# KiCad board B1_panel.kicad_pcb (continued)
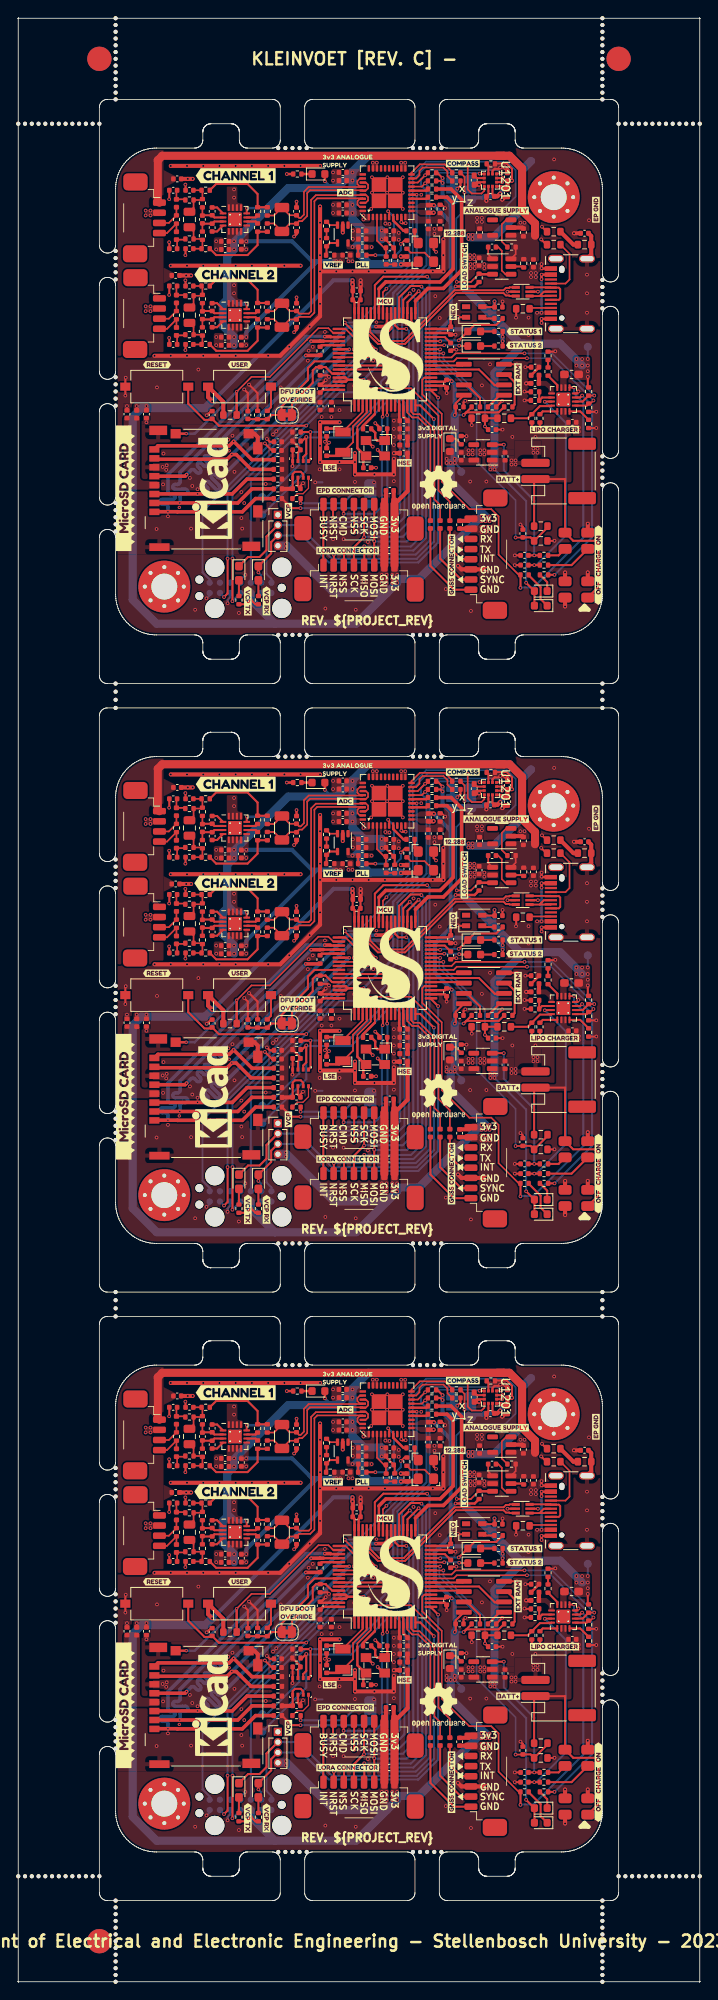
[diagram p0: board, top side]
## Routing (per net, layer and track width the routed paths; a pad name or vN(x,y) marks a point on that pad's centre or on a via; arc(x,y) is an arc through that point) (continued)
Board1_2-Net-(D902-K): length 4.7
  Top w0.25: R908#2.2 62.92,23.35 64.38,21.88 64.38,20.41 D902.1
Board1_2-Net-(D903-K): length 1.3
  Top w0.3: D903#3.1 R918.2
Board1_2-Net-(D904-K): length 1.7
  Top w0.25: D904#2.1 53.9,40.19 R919.2
Board1_2-Net-(J301-Pin_5): length 5.6
  Top w0.25: J301#2.5 54.57,25.32 53.2,26.7 53.2,29.12
Board1_2-Net-(JP401-C): length 2.7
  Top w0.2: R408#2.2 55.01,72.45 55.01,70.51 v1(55,70.5)
Board1_2-Net-(JP402-C): length 1.1
  Top w0.25: v1(54.12,70.99) 54.51,71.39 R407#2.2
Board1_2-Net-(R108-Pad2): length 3.2
  Top w0.25: R108.2 31.15,44.06 SW102#3.2
Board1_2-Net-(R210-Pad2): length 2.8
  Top w0.5: R211#3.1 68.43,64.1 R210#3.2
Board1_2-Net-(R902-Pad2): length 0.9
  Top w0.25: R902.2 R903.1
Board1_2-Net-(U401-ADDR0/CLATCH): length 6.9
  Top w0.2: R407#2.1 52.9,72.54 52.9,73.11 52.41,73.6 49.85,73.6 49.45,73.2 49.45,72.65 49.05,72.25 U401.19
Board1_2-Net-(U401-ADDR1/CIN): length 6.2
  Top w0.2: R408#2.1 53.49,73.08 52.57,74 49.5,74 48.47,72.97 U401.20
Board1_2-Net-(U903-EN): length 4.5
  Top w0.2: U903#3.3 60.15,67.15 59.6,66.6 59.6,64.49 R921#2.1
Board1_2-Net-(U904-QOD): length 1.6
  Top w0.25: R922#2.1 62.19,61.4 U904#2.5
Board1_2-Net-(U1301-NU): length 4.9
  Top w0.25: R1301#3.2 61.18,44.37 61.18,47.16 60.25,48.09 U1301.3
Board1_2-Net-(U1301-~{CS}): length 2.6
  Top w0.25: U1301.1 59.34,45.54 R1303#3.1
Board1_2-Net-(U1301-~{HOLD}): length 3.8
  Top w0.25: U1301.7 55.3,46.81 56.91,45.21 R1302.2
Board1_2-Net-(X401-Tri-State): length 4
  Top w0.2: R404.2 48.38,63.11 50.09,63.11 X401.1
Board1_2-VBUS: length 9.7
  Top w0.25: U201.5 v1(64.05,58.3)
  Top w0.3: C904.1 64.18,48.97 63.22,48 ; v1(64.5,59.85) v1(64.5,60.4) J206#2.A9
  Bottom w0.3: 64.5,58.3 v1(64.05,58.3) ; 64.5,58.3 v1(64.5,55.7) v1(63.95,55.7) ; 64.5,58.3 v1(64.5,60.4)
Board1_2-VCC: length 66.9
  Top w0.2: C912#3.2 57.92,62.89 U904#2.1
  Top w0.25: v1(70.2,47.8) 70.2,46.61 R912#2.2 ; v1(58.7,57.1) 58.72,57.08 CB108#3.1 57.25,56.4 D105#3.4 ; D902.2 D901#3.2 v1(62.6,22.42)
  Bottom w0.25: v1(62.6,22.42) 62.6,32.5 v1(58.7,36.4) ; v1(70.2,50) 70.2,51.2 70.5,51.5
  Bottom w0.5: 59,54.75 58.7,55.05 v1(58.7,57.1)
  Bottom w1: 62.33,51.9 66.8,51.9 v1(69.5,49.2) ; 62.33,51.9 58.7,48.27 v1(58.7,36.9) ; 62.33,51.9 61.85,51.9 54.9,58.85 54.9,60.85 54.9,60.85 54.9,62.25 55.05,62.4
  vias: v1(55.7,62.8) v1(55.7,62.3) v1(56.2,62.8) v1(56.2,62.3) v1(58.2,36.9) v1(58.2,36.4) v1(68.8,50) v1(68.8,49.2) v1(69.5,50) v1(70.2,49.2) v1(70.2,48.5)
Board1_2-VCC_LOAD_SWITCH: length 62.6
  Top w0.2: U904#2.6 61.31,62.92 R921#2.2
  Top w1: J501#2.4 17.2,69.47 17.2,74.5 17.75,75.05 59.85,75.05 59.85,75.05 ; 59,75.05 60.55,75.05 62.1,73.5 62.1,68.3 63.7,66.7 63.7,65.2

## Copper pours and planes (outline as drawn; the poured copper is in the pictures)
Board1_0-/Power/VBUS_CLEAN on Top: 66,195.65 66,196.55 65.1,197.3 64,197.3 64,196.7 64.9,196.7 65.4,196.3 65.4,195.65
Board1_1-/Power/VBUS_CLEAN on Top: 66,120.65 66,121.55 65.1,122.3 64,122.3 64,121.7 64.9,121.7 65.4,121.3 65.4,120.65
Board1_2-/Power/VBUS_CLEAN on Top: 66,45.65 66,46.55 65.1,47.3 64,47.3 64,46.7 64.9,46.7 65.4,46.3 65.4,45.65
Board1_0-+3.3VA on Top: 47.7,192.8 49,192.8 49,189.9 47.7,189.9
Board1_0-+3.3VADC on Top: 42.8,218.4 41.8,218.4 41.4,218.8 41.4,219.45 40.15,219.45 40.15,217.55 42.1,217.55 42.1,218.1 42.8,218.1
Board1_0-+3.3VADC on Top: 27.7,216.2 27.7,215.2 27,215.2 27,213 25.7,213 25.7,216.2
Board1_0-+3.3VADC on Top: 42.2,214.1 40.85,214.1 40.85,214.75 40.45,214.75 40.45,213.5 42.2,213.5
Board1_0-+3.3VADC on Top: 44.55,217.6 44.55,214.5 45.6,214.5 45.6,216.1 44.9,216.1 44.9,217.6
Board1_0-+3.3VADC on Top: 42.8,222.6 41.8,222.6 41.4,222.2 41.4,221.55 40.15,221.55 40.15,223.45 42.1,223.45 42.1,222.9 42.8,222.9
Board1_0-+3.3VADC on Top: 59.2,215.5 55.3,215.5 55.3,214.6 59.2,214.6
Board1_0-+3.3VADC on Top: 27.7,204.41 27.7,203.41 27,203.41 27,201.21 25.7,201.21 25.7,204.41
Board1_0-+3V3 on Top: 46.8,189.7 46.8,188.1 48.3,188.1 48.3,189.7
Board1_0-+3V3 on Top: 41.6,193.6 41.6,195 36.9,195 36.9,194.4 41.3,194.4 41.3,193.6
Board1_0-+3V3 on Top: 55.8,179.8 55.8,180.8 58.3,180.8 58.3,179.8
Board1_0-+3V3 on Top: 48.2,218.6 50.9,218.6 50.9,219.25 49.55,219.25 49.05,218.9 48.2,218.9
Board1_0-+3V3 on Top: 57,188 54,188 54,188.9 52.5,188.9 52.5,186.9 57,186.9
Board1_0-+3V3 on Top: 37.5,194.4 37.5,196.1 35.7,196.1 35.7,194.4
Board1_0-+3V3 on Top: 45.9,174.7 46.9,174.7 46.9,172.2 45.9,172.2
Board1_0-+3V3 on Top: 34.3,191.6 34.3,189.4 33.3,189.4 33.3,176.4 31.4,176.4 31.4,177.6 32.7,177.6 32.7,181.7 32.2,181.7 32.2,190.4 31.1,190.4 31.1,191.6
Board1_0-+3V3 on Top, Bottom: 14.2,194.5 14.2,193.4 16.2,193.4 16.2,194.5
Board1_0-+3V3 on Bottom: 46.9,173.7 45.9,173.7 45.9,172.2 46.9,172.2
Board1_0-+3V3 on Bottom: 52.5,188 52.5,186.9 54.1,186.9 54.1,188
Board1_0-+3V3 on Bottom: 56.8,180.8 56.8,179.8 58.3,179.8 58.3,180.8
Board1_0-+3V3 on Bottom: 53.05,220.65 55.95,220.65 55.95,220.15 53.55,217.7 53.05,217.7
Board1_0-+BATT on Top: 63.6,184.8 68.2,184.8 68.2,192.8 67.6,192.8 67.6,194 66.8,194 66.8,192.8 66.3,192.8 66.3,185.6 63.6,185.6
Board1_0-/ADC_Interface/ADC_VDD on Top: 47.55,217.9 52.5,217.9 52.5,216.7 48.25,216.7 48.25,217.1 47.55,217.1
Board1_0-/ADC_Interface/VCM on Top: 27.9,216.61 27.9,214.91 27.2,214.91 27.2,214.11 28.4,214.11 28.4,216.61
Board1_0-/ADC_Interface/VCM on Top: 27.9,204.81 27.9,203.11 27.2,203.11 27.2,202.31 28.4,202.31 28.4,204.81
Board1_0-/ADC_Interface/VCM on Top, Bottom: 40.25,211.8 40.25,213.1 38.7,213.1 38.7,211.8
Board1_0-/ADC_Interface/VREF on Top: 43.5,217.6 43.5,216.75 40.5,216.75 40.5,216.35 42.55,216.35 42.55,214.4 43.9,214.4 43.9,217.6
Board1_0-/Power/VOUT on Top: 66.8,196.1 66.8,198.5 67.6,198.5 67.6,196.1
Board1_0-Earth on Top: 72,212.55 66.2,212.55 66.18,203.5 72,203.5
Board1_0-Earth on Bottom: 71,212.25 71,203.25 66,203.25 66,212.25
Board1_0-GND on Top: 27.7,206.4 27.7,207.4 27,207.4 27,209.6 25.7,209.6 25.7,206.4
Board1_0-GND on Top: 38.6,221.55 39.85,221.55 39.85,223.45 38.6,223.45
Board1_0-GND on Top: 68.3,193.15 68.3,190.85 69.7,190.85 69.7,193.15
Board1_0-GND on Top: 45.05,217.6 45.05,216.35 46,216.35 46,216.9 45.4,216.9 45.4,217.6
Board1_0-GND on Top: 41.35,211.8 41.35,213.3 40.5,213.3 40.5,211.8
Board1_0-GND on Top: 55.8,178.5 55.8,179.5 58.3,179.5 58.3,178.5
Board1_0-GND on Top: 18,218.4 15.6,218.4 15.6,217.6 18,217.6
Board1_0-GND on Top: 64.5,186.7 64.5,189.95 61.15,189.95 61.15,186.75
Board1_0-GND on Top: 38.6,217.55 39.85,217.55 39.85,219.45 38.6,219.45
Board1_0-GND on Top: 43.4,217.9 42.3,217.9 42.3,216.95 43.4,216.95
Board1_0-GND on Top: 30.8,191.9 12,191.9 12,175.9 30.8,175.9
Board1_0-GND on Top: 54,188.9 61.3,188.9 61.3,188.1 54,188.1
Board1_0-GND on Top: 27.7,218.2 27.7,219.2 27,219.2 27,221.4 25.7,221.4 25.7,218.2
Board1_0-GND on Top: 44.35,223.15 44.35,224.45 43.55,224.45 43.55,223.15
Board1_0-GND on Top: 24.1,213 24.1,215 25.3,215 25.3,213
Board1_0-GND on Top: 44.6,174.7 45.6,174.7 45.6,172.2 44.6,172.2
Board1_0-GND on Top: 42.25,216.2 42.25,214.4 41,214.4 41,216.2
Board1_0-GND on Top: 56.35,215.75 56.35,217.7 57.35,217.7 57.35,215.75
Board1_0-GND on Top: 52.3,215.1 52.3,216.3 50.25,216.3 50.25,215.1
Board1_0-GND on Top: 47.85,223.1 47.85,224.4 47.05,224.4 47.05,223.1
Board1_0-GND on Top: 18,206.6 15.6,206.6 15.6,205.8 18,205.8
Board1_0-GND on Top: 36.9,194 36.9,193.4 39.9,193.4 39.9,194
Board1_0-GND on Top: 59.2,211.85 59.2,211 55.5,211.05 55.5,211.9
Board1_0-GND on Top: 12,200.4 12,166 72,166 72,226 52.4,226 52.4,210.8 37.2,210.8 37.2,205.9 31.9,200.4
Board1_0-GND on Top: 61.8,215.6 61.8,217 62.8,217 62.8,215.6
Board1_0-GND on Top: 24.1,201.21 24.1,203.21 25.3,203.21 25.3,201.21
Board1_0-GND on Top: 46,192.8 47.3,192.8 47.3,189.9 46,189.9
Board1_0-GND on Top: 47.15,215.65 46.7,216.1 46,216.1 46,214.5 47.15,214.5
Board1_0-GND on Top: 64,211.7 64,209.9 63,209.9 63,211.7
Board1_0-GND on Top: 48.2,218.4 50.9,218.4 50.9,217.75 49.55,217.75 49.05,218.15 48.2,218.1
Board1_0-GND on Top: 16.6,187.2 16.6,186.1 18.6,186.1 18.6,187.2
Board1_0-GND on Bottom: 12,226 12,166 72,166 72,226
Board1_0-GND on Bottom: 56.8,179.5 56.8,178.5 58.3,178.5 58.3,179.5
Board1_0-GND on Bottom: 45.6,173.7 44.6,173.7 44.6,172.2 45.6,172.2
Board1_0-GND on In1.Cu, In2.Cu: 72,166 12,166 12,226 72,226
Board1_0-VAA on Top: 17.4,185 15,185 15,193.1 13,193.1 13,183.9 17.4,183.9
Board1_0-VBUS on Top: 65.6,205.9 63.6,205.9 63.6,198.7 64.5,198.7 64.55,205.45 65.6,205.5
Board1_0-VBUS on In2.Cu: 72.03,213.42 60.72,213.42 60.72,201.99 72.03,201.99
Board1_0-VCC on Top: 59.2,212.9 55.3,212.9 55.3,212 59.2,212
Board1_0-VCC on Top, Bottom: 68.5,197.4 70.5,197.4 70.5,200.3 68.5,200.3
Board1_0-VCC on Top, Bottom: 57.9,186.1 60.3,186.1 60.3,187.8 57.9,187.8
Board1_0-VCC on Bottom: 54.35,213.05 54.35,212.05 56.45,212.05 56.45,213.05
Board1_0-VCC_LOAD_SWITCH on Top: 19.2,210 16.9,208.8 16.9,211.8 19.2,210.6
Board1_0-VCC_LOAD_SWITCH on Top: 60,215.6 60,212 64.2,212 64.2,215.6
Board1_0-VCC_LOAD_SWITCH on Top: 19.45,221.89 17.15,220.69 17.15,223.69 19.45,222.49
Board1_0-VCC_LOAD_SWITCH on Top: 17.9,200.4 17.9,226 12,226 12,200.4
Board1_1-+3.3VA on Top: 47.7,117.8 49,117.8 49,114.9 47.7,114.9
Board1_1-+3.3VADC on Top: 44.55,142.6 44.55,139.5 45.6,139.5 45.6,141.1 44.9,141.1 44.9,142.6
Board1_1-+3.3VADC on Top: 59.2,140.5 55.3,140.5 55.3,139.6 59.2,139.6
Board1_1-+3.3VADC on Top: 42.2,139.1 40.85,139.1 40.85,139.75 40.45,139.75 40.45,138.5 42.2,138.5
Board1_1-+3.3VADC on Top: 27.7,141.2 27.7,140.2 27,140.2 27,138 25.7,138 25.7,141.2
Board1_1-+3.3VADC on Top: 27.7,129.41 27.7,128.41 27,128.41 27,126.21 25.7,126.21 25.7,129.41
Board1_1-+3.3VADC on Top: 42.8,143.4 41.8,143.4 41.4,143.8 41.4,144.45 40.15,144.45 40.15,142.55 42.1,142.55 42.1,143.1 42.8,143.1
Board1_1-+3.3VADC on Top: 42.8,147.6 41.8,147.6 41.4,147.2 41.4,146.55 40.15,146.55 40.15,148.45 42.1,148.45 42.1,147.9 42.8,147.9
Board1_1-+3V3 on Top: 48.2,143.6 50.9,143.6 50.9,144.25 49.55,144.25 49.05,143.9 48.2,143.9
Board1_1-+3V3 on Top: 55.8,104.8 55.8,105.8 58.3,105.8 58.3,104.8
Board1_1-+3V3 on Top: 37.5,119.4 37.5,121.1 35.7,121.1 35.7,119.4
Board1_1-+3V3 on Top: 41.6,118.6 41.6,120 36.9,120 36.9,119.4 41.3,119.4 41.3,118.6
Board1_1-+3V3 on Top: 57,113 54,113 54,113.9 52.5,113.9 52.5,111.9 57,111.9
Board1_1-+3V3 on Top: 45.9,99.7 46.9,99.7 46.9,97.2 45.9,97.2
Board1_1-+3V3 on Top: 34.3,116.6 34.3,114.4 33.3,114.4 33.3,101.4 31.4,101.4 31.4,102.6 32.7,102.6 32.7,106.7 32.2,106.7 32.2,115.4 31.1,115.4 31.1,116.6
Board1_1-+3V3 on Top: 46.8,114.7 46.8,113.1 48.3,113.1 48.3,114.7
Board1_1-+3V3 on Top, Bottom: 14.2,119.5 14.2,118.4 16.2,118.4 16.2,119.5
Board1_1-+3V3 on Bottom: 56.8,105.8 56.8,104.8 58.3,104.8 58.3,105.8
Board1_1-+3V3 on Bottom: 53.05,145.65 55.95,145.65 55.95,145.15 53.55,142.7 53.05,142.7
Board1_1-+3V3 on Bottom: 46.9,98.7 45.9,98.7 45.9,97.2 46.9,97.2
Board1_1-+3V3 on Bottom: 52.5,113 52.5,111.9 54.1,111.9 54.1,113
Board1_1-+BATT on Top: 63.6,109.8 68.2,109.8 68.2,117.8 67.6,117.8 67.6,119 66.8,119 66.8,117.8 66.3,117.8 66.3,110.6 63.6,110.6
Board1_1-/ADC_Interface/ADC_VDD on Top: 47.55,142.9 52.5,142.9 52.5,141.7 48.25,141.7 48.25,142.1 47.55,142.1
Board1_1-/ADC_Interface/VCM on Top: 27.9,141.61 27.9,139.91 27.2,139.91 27.2,139.11 28.4,139.11 28.4,141.61
Board1_1-/ADC_Interface/VCM on Top: 27.9,129.81 27.9,128.11 27.2,128.11 27.2,127.31 28.4,127.31 28.4,129.81
Board1_1-/ADC_Interface/VCM on Top, Bottom: 40.25,136.8 40.25,138.1 38.7,138.1 38.7,136.8
Board1_1-/ADC_Interface/VREF on Top: 43.5,142.6 43.5,141.75 40.5,141.75 40.5,141.35 42.55,141.35 42.55,139.4 43.9,139.4 43.9,142.6
Board1_1-/Power/VOUT on Top: 66.8,121.1 66.8,123.5 67.6,123.5 67.6,121.1
Board1_1-Earth on Top: 72,137.55 66.2,137.55 66.18,128.5 72,128.5
Board1_1-Earth on Bottom: 71,137.25 71,128.25 66,128.25 66,137.25
Board1_1-GND on Top: 24.1,138 24.1,140 25.3,140 25.3,138
Board1_1-GND on Top: 27.7,131.4 27.7,132.4 27,132.4 27,134.6 25.7,134.6 25.7,131.4
Board1_1-GND on Top: 27.7,143.2 27.7,144.2 27,144.2 27,146.4 25.7,146.4 25.7,143.2
Board1_1-GND on Top: 38.6,146.55 39.85,146.55 39.85,148.45 38.6,148.45
Board1_1-GND on Top: 38.6,142.55 39.85,142.55 39.85,144.45 38.6,144.45
Board1_1-GND on Top: 56.35,140.75 56.35,142.7 57.35,142.7 57.35,140.75
Board1_1-GND on Top: 59.2,136.85 59.2,136 55.5,136.05 55.5,136.9
Board1_1-GND on Top: 16.6,112.2 16.6,111.1 18.6,111.1 18.6,112.2
Board1_1-GND on Top: 12,125.4 12,91 72,91 72,151 52.4,151 52.4,135.8 37.2,135.8 37.2,130.9 31.9,125.4
Board1_1-GND on Top: 41.35,136.8 41.35,138.3 40.5,138.3 40.5,136.8
Board1_1-GND on Top: 30.8,116.9 12,116.9 12,100.9 30.8,100.9
Board1_1-GND on Top: 24.1,126.21 24.1,128.21 25.3,128.21 25.3,126.21
Board1_1-GND on Top: 44.6,99.7 45.6,99.7 45.6,97.2 44.6,97.2
Board1_1-GND on Top: 64,136.7 64,134.9 63,134.9 63,136.7
Board1_1-GND on Top: 18,143.4 15.6,143.4 15.6,142.6 18,142.6
Board1_1-GND on Top: 47.85,148.1 47.85,149.4 47.05,149.4 47.05,148.1
Board1_1-GND on Top: 47.15,140.65 46.7,141.1 46,141.1 46,139.5 47.15,139.5
Board1_1-GND on Top: 42.25,141.2 42.25,139.4 41,139.4 41,141.2
Board1_1-GND on Top: 64.5,111.7 64.5,114.95 61.15,114.95 61.15,111.75
Board1_1-GND on Top: 36.9,119 36.9,118.4 39.9,118.4 39.9,119
Board1_1-GND on Top: 43.4,142.9 42.3,142.9 42.3,141.95 43.4,141.95
Board1_1-GND on Top: 55.8,103.5 55.8,104.5 58.3,104.5 58.3,103.5
Board1_1-GND on Top: 68.3,118.15 68.3,115.85 69.7,115.85 69.7,118.15
Board1_1-GND on Top: 61.8,140.6 61.8,142 62.8,142 62.8,140.6
Board1_1-GND on Top: 46,117.8 47.3,117.8 47.3,114.9 46,114.9
Board1_1-GND on Top: 54,113.9 61.3,113.9 61.3,113.1 54,113.1
Board1_1-GND on Top: 45.05,142.6 45.05,141.35 46,141.35 46,141.9 45.4,141.9 45.4,142.6
Board1_1-GND on Top: 52.3,140.1 52.3,141.3 50.25,141.3 50.25,140.1
Board1_1-GND on Top: 48.2,143.4 50.9,143.4 50.9,142.75 49.55,142.75 49.05,143.15 48.2,143.1
Board1_1-GND on Top: 18,131.6 15.6,131.6 15.6,130.8 18,130.8
Board1_1-GND on Top: 44.35,148.15 44.35,149.45 43.55,149.45 43.55,148.15
Board1_1-GND on Bottom: 12,151 12,91 72,91 72,151
Board1_1-GND on Bottom: 45.6,98.7 44.6,98.7 44.6,97.2 45.6,97.2
Board1_1-GND on Bottom: 56.8,104.5 56.8,103.5 58.3,103.5 58.3,104.5
Board1_1-GND on In1.Cu, In2.Cu: 72,91 12,91 12,151 72,151
Board1_1-VAA on Top: 17.4,110 15,110 15,118.1 13,118.1 13,108.9 17.4,108.9
Board1_1-VBUS on Top: 65.6,130.9 63.6,130.9 63.6,123.7 64.5,123.7 64.55,130.45 65.6,130.5
Board1_1-VBUS on In2.Cu: 72.03,138.42 60.72,138.42 60.72,126.99 72.03,126.99
Board1_1-VCC on Top: 59.2,137.9 55.3,137.9 55.3,137 59.2,137
Board1_1-VCC on Top, Bottom: 57.9,111.1 60.3,111.1 60.3,112.8 57.9,112.8
Board1_1-VCC on Top, Bottom: 68.5,122.4 70.5,122.4 70.5,125.3 68.5,125.3
Board1_1-VCC on Bottom: 54.35,138.05 54.35,137.05 56.45,137.05 56.45,138.05
Board1_1-VCC_LOAD_SWITCH on Top: 60,140.6 60,137 64.2,137 64.2,140.6
Board1_1-VCC_LOAD_SWITCH on Top: 19.45,146.89 17.15,145.69 17.15,148.69 19.45,147.49
Board1_1-VCC_LOAD_SWITCH on Top: 19.2,135 16.9,133.8 16.9,136.8 19.2,135.6
Board1_1-VCC_LOAD_SWITCH on Top: 17.9,125.4 17.9,151 12,151 12,125.4
Board1_2-+3.3VA on Top: 47.7,42.8 49,42.8 49,39.9 47.7,39.9
Board1_2-+3.3VADC on Top: 27.7,54.41 27.7,53.41 27,53.41 27,51.21 25.7,51.21 25.7,54.41
Board1_2-+3.3VADC on Top: 27.7,66.2 27.7,65.2 27,65.2 27,63 25.7,63 25.7,66.2
Board1_2-+3.3VADC on Top: 59.2,65.5 55.3,65.5 55.3,64.6 59.2,64.6
Board1_2-+3.3VADC on Top: 42.8,68.4 41.8,68.4 41.4,68.8 41.4,69.45 40.15,69.45 40.15,67.55 42.1,67.55 42.1,68.1 42.8,68.1
Board1_2-+3.3VADC on Top: 42.8,72.6 41.8,72.6 41.4,72.2 41.4,71.55 40.15,71.55 40.15,73.45 42.1,73.45 42.1,72.9 42.8,72.9
Board1_2-+3.3VADC on Top: 42.2,64.1 40.85,64.1 40.85,64.75 40.45,64.75 40.45,63.5 42.2,63.5
Board1_2-+3.3VADC on Top: 44.55,67.6 44.55,64.5 45.6,64.5 45.6,66.1 44.9,66.1 44.9,67.6
Board1_2-+3V3 on Top: 57,38 54,38 54,38.9 52.5,38.9 52.5,36.9 57,36.9
Board1_2-+3V3 on Top: 46.8,39.7 46.8,38.1 48.3,38.1 48.3,39.7
Board1_2-+3V3 on Top: 48.2,68.6 50.9,68.6 50.9,69.25 49.55,69.25 49.05,68.9 48.2,68.9
Board1_2-+3V3 on Top: 37.5,44.4 37.5,46.1 35.7,46.1 35.7,44.4
Board1_2-+3V3 on Top: 55.8,29.8 55.8,30.8 58.3,30.8 58.3,29.8
Board1_2-+3V3 on Top: 45.9,24.7 46.9,24.7 46.9,22.2 45.9,22.2
Board1_2-+3V3 on Top: 34.3,41.6 34.3,39.4 33.3,39.4 33.3,26.4 31.4,26.4 31.4,27.6 32.7,27.6 32.7,31.7 32.2,31.7 32.2,40.4 31.1,40.4 31.1,41.6
Board1_2-+3V3 on Top: 41.6,43.6 41.6,45 36.9,45 36.9,44.4 41.3,44.4 41.3,43.6
Board1_2-+3V3 on Top, Bottom: 14.2,44.5 14.2,43.4 16.2,43.4 16.2,44.5
Board1_2-+3V3 on Bottom: 56.8,30.8 56.8,29.8 58.3,29.8 58.3,30.8
Board1_2-+3V3 on Bottom: 52.5,38 52.5,36.9 54.1,36.9 54.1,38
Board1_2-+3V3 on Bottom: 46.9,23.7 45.9,23.7 45.9,22.2 46.9,22.2
Board1_2-+3V3 on Bottom: 53.05,70.65 55.95,70.65 55.95,70.15 53.55,67.7 53.05,67.7
Board1_2-+BATT on Top: 63.6,34.8 68.2,34.8 68.2,42.8 67.6,42.8 67.6,44 66.8,44 66.8,42.8 66.3,42.8 66.3,35.6 63.6,35.6
Board1_2-/ADC_Interface/ADC_VDD on Top: 47.55,67.9 52.5,67.9 52.5,66.7 48.25,66.7 48.25,67.1 47.55,67.1
Board1_2-/ADC_Interface/VCM on Top: 27.9,66.61 27.9,64.91 27.2,64.91 27.2,64.11 28.4,64.11 28.4,66.61
Board1_2-/ADC_Interface/VCM on Top: 27.9,54.81 27.9,53.11 27.2,53.11 27.2,52.31 28.4,52.31 28.4,54.81
Board1_2-/ADC_Interface/VCM on Top, Bottom: 40.25,61.8 40.25,63.1 38.7,63.1 38.7,61.8
Board1_2-/ADC_Interface/VREF on Top: 43.5,67.6 43.5,66.75 40.5,66.75 40.5,66.35 42.55,66.35 42.55,64.4 43.9,64.4 43.9,67.6
Board1_2-/Power/VOUT on Top: 66.8,46.1 66.8,48.5 67.6,48.5 67.6,46.1
Board1_2-Earth on Top: 72,62.55 66.2,62.55 66.18,53.5 72,53.5
Board1_2-Earth on Bottom: 71,62.25 71,53.25 66,53.25 66,62.25
Board1_2-GND on Top: 46,42.8 47.3,42.8 47.3,39.9 46,39.9
Board1_2-GND on Top: 38.6,67.55 39.85,67.55 39.85,69.45 38.6,69.45
Board1_2-GND on Top: 41.35,61.8 41.35,63.3 40.5,63.3 40.5,61.8
Board1_2-GND on Top: 24.1,63 24.1,65 25.3,65 25.3,63
Board1_2-GND on Top: 12,50.4 12,16 72,16 72,76 52.4,76 52.4,60.8 37.2,60.8 37.2,55.9 31.9,50.4
Board1_2-GND on Top: 47.15,65.65 46.7,66.1 46,66.1 46,64.5 47.15,64.5
Board1_2-GND on Top: 43.4,67.9 42.3,67.9 42.3,66.95 43.4,66.95
Board1_2-GND on Top: 38.6,71.55 39.85,71.55 39.85,73.45 38.6,73.45
Board1_2-GND on Top: 52.3,65.1 52.3,66.3 50.25,66.3 50.25,65.1
Board1_2-GND on Top: 16.6,37.2 16.6,36.1 18.6,36.1 18.6,37.2
Board1_2-GND on Top: 59.2,61.85 59.2,61 55.5,61.05 55.5,61.9
Board1_2-GND on Top: 44.6,24.7 45.6,24.7 45.6,22.2 44.6,22.2
Board1_2-GND on Top: 64.5,36.7 64.5,39.95 61.15,39.95 61.15,36.75
Board1_2-GND on Top: 18,56.6 15.6,56.6 15.6,55.8 18,55.8
Board1_2-GND on Top: 47.85,73.1 47.85,74.4 47.05,74.4 47.05,73.1
Board1_2-GND on Top: 68.3,43.15 68.3,40.85 69.7,40.85 69.7,43.15
Board1_2-GND on Top: 55.8,28.5 55.8,29.5 58.3,29.5 58.3,28.5
Board1_2-GND on Top: 56.35,65.75 56.35,67.7 57.35,67.7 57.35,65.75
Board1_2-GND on Top: 54,38.9 61.3,38.9 61.3,38.1 54,38.1
Board1_2-GND on Top: 27.7,56.4 27.7,57.4 27,57.4 27,59.6 25.7,59.6 25.7,56.4
Board1_2-GND on Top: 48.2,68.4 50.9,68.4 50.9,67.75 49.55,67.75 49.05,68.15 48.2,68.1
Board1_2-GND on Top: 36.9,44 36.9,43.4 39.9,43.4 39.9,44
Board1_2-GND on Top: 45.05,67.6 45.05,66.35 46,66.35 46,66.9 45.4,66.9 45.4,67.6
Board1_2-GND on Top: 64,61.7 64,59.9 63,59.9 63,61.7
Board1_2-GND on Top: 27.7,68.2 27.7,69.2 27,69.2 27,71.4 25.7,71.4 25.7,68.2
Board1_2-GND on Top: 30.8,41.9 12,41.9 12,25.9 30.8,25.9
Board1_2-GND on Top: 44.35,73.15 44.35,74.45 43.55,74.45 43.55,73.15
Board1_2-GND on Top: 18,68.4 15.6,68.4 15.6,67.6 18,67.6
Board1_2-GND on Top: 61.8,65.6 61.8,67 62.8,67 62.8,65.6
Board1_2-GND on Top: 42.25,66.2 42.25,64.4 41,64.4 41,66.2
Board1_2-GND on Top: 24.1,51.21 24.1,53.21 25.3,53.21 25.3,51.21
Board1_2-GND on Bottom: 12,76 12,16 72,16 72,76
Board1_2-GND on Bottom: 45.6,23.7 44.6,23.7 44.6,22.2 45.6,22.2
Board1_2-GND on Bottom: 56.8,29.5 56.8,28.5 58.3,28.5 58.3,29.5
Board1_2-GND on In1.Cu, In2.Cu: 72,16 12,16 12,76 72,76
Board1_2-VAA on Top: 17.4,35 15,35 15,43.1 13,43.1 13,33.9 17.4,33.9
Board1_2-VBUS on Top: 65.6,55.9 63.6,55.9 63.6,48.7 64.5,48.7 64.55,55.45 65.6,55.5
Board1_2-VBUS on In2.Cu: 72.03,63.42 60.72,63.42 60.72,51.99 72.03,51.99
Board1_2-VCC on Top: 59.2,62.9 55.3,62.9 55.3,62 59.2,62
Board1_2-VCC on Top, Bottom: 57.9,36.1 60.3,36.1 60.3,37.8 57.9,37.8
Board1_2-VCC on Top, Bottom: 68.5,47.4 70.5,47.4 70.5,50.3 68.5,50.3
Board1_2-VCC on Bottom: 54.35,63.05 54.35,62.05 56.45,62.05 56.45,63.05
Board1_2-VCC_LOAD_SWITCH on Top: 60,65.6 60,62 64.2,62 64.2,65.6
Board1_2-VCC_LOAD_SWITCH on Top: 19.2,60 16.9,58.8 16.9,61.8 19.2,60.6
Board1_2-VCC_LOAD_SWITCH on Top: 19.45,71.89 17.15,70.69 17.15,73.69 19.45,72.49
Board1_2-VCC_LOAD_SWITCH on Top: 17.9,50.4 17.9,76 12,76 12,50.4

Small or netless copper shapes (teardrops, artwork), in the pictures only: 21 on Top, 3 on Bottom

## Text on the board
B.Silkscreen: 0 | 1
User.Comments: MIC ARRAY | MIC. SLOT
User.Drawings: SENSOR ARRAY CLEARANCE (TALL FOOTPRINTS)
F.Silkscreen: BUSY | INT | NRST | CMD | NSS | SCK | MISO | MOSI | GND | 3v3 | RX | TX | SYNC | y | x | z | REV. ${PROJECT_REV} | KLEINVOET [REV. C] - | Department of Electrical and Electronic Engineering - Stellenbosch University - 2023-07-04
